# Altium PCB DustCollectorSwitch.PcbDoc
Units mil, origin at the board's own origin, x right, y up, seen from the top; angles counter-clockwise.
Board outline 2100 x 2705.2 mil, 2 copper layers (Top Layer, Bottom Layer); 63 components, 35 nets, 157 pads, 74 vias.
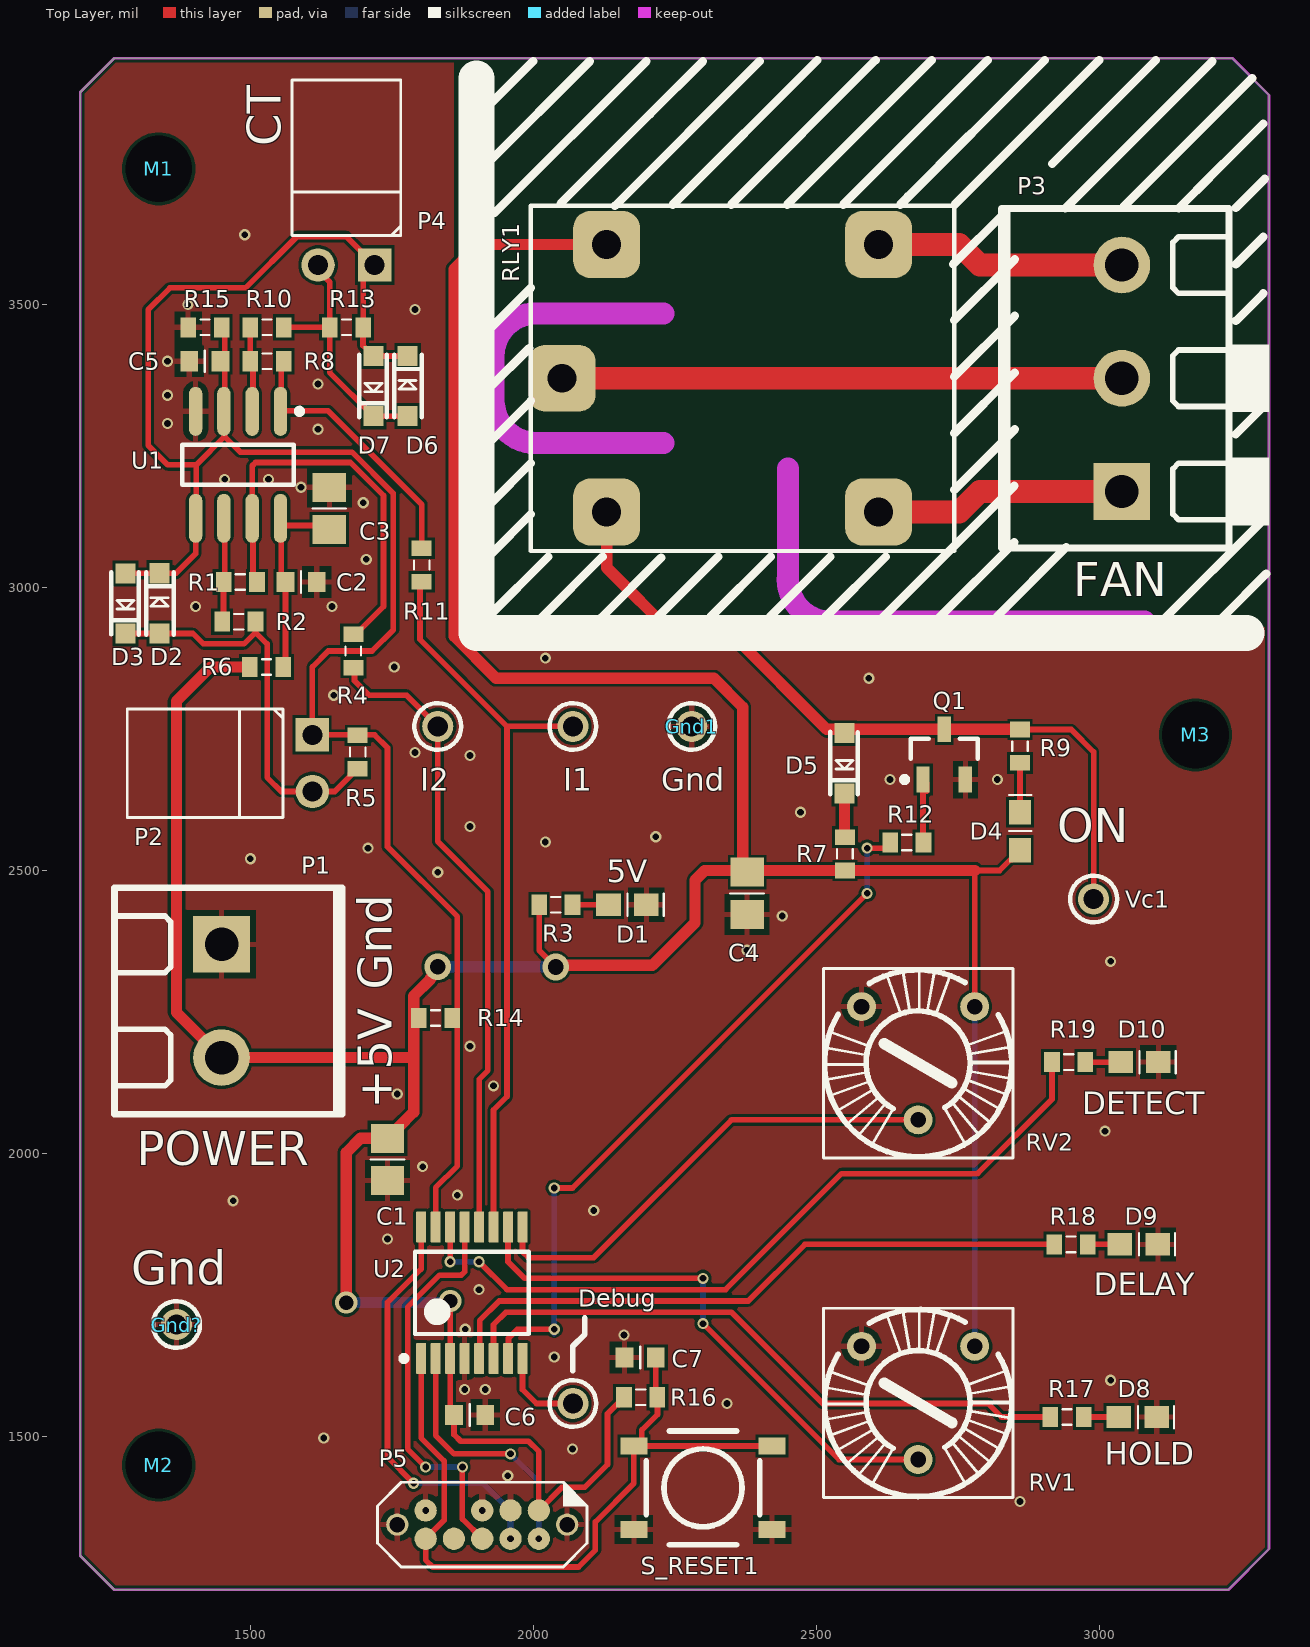
[diagram p0: Top Layer view]
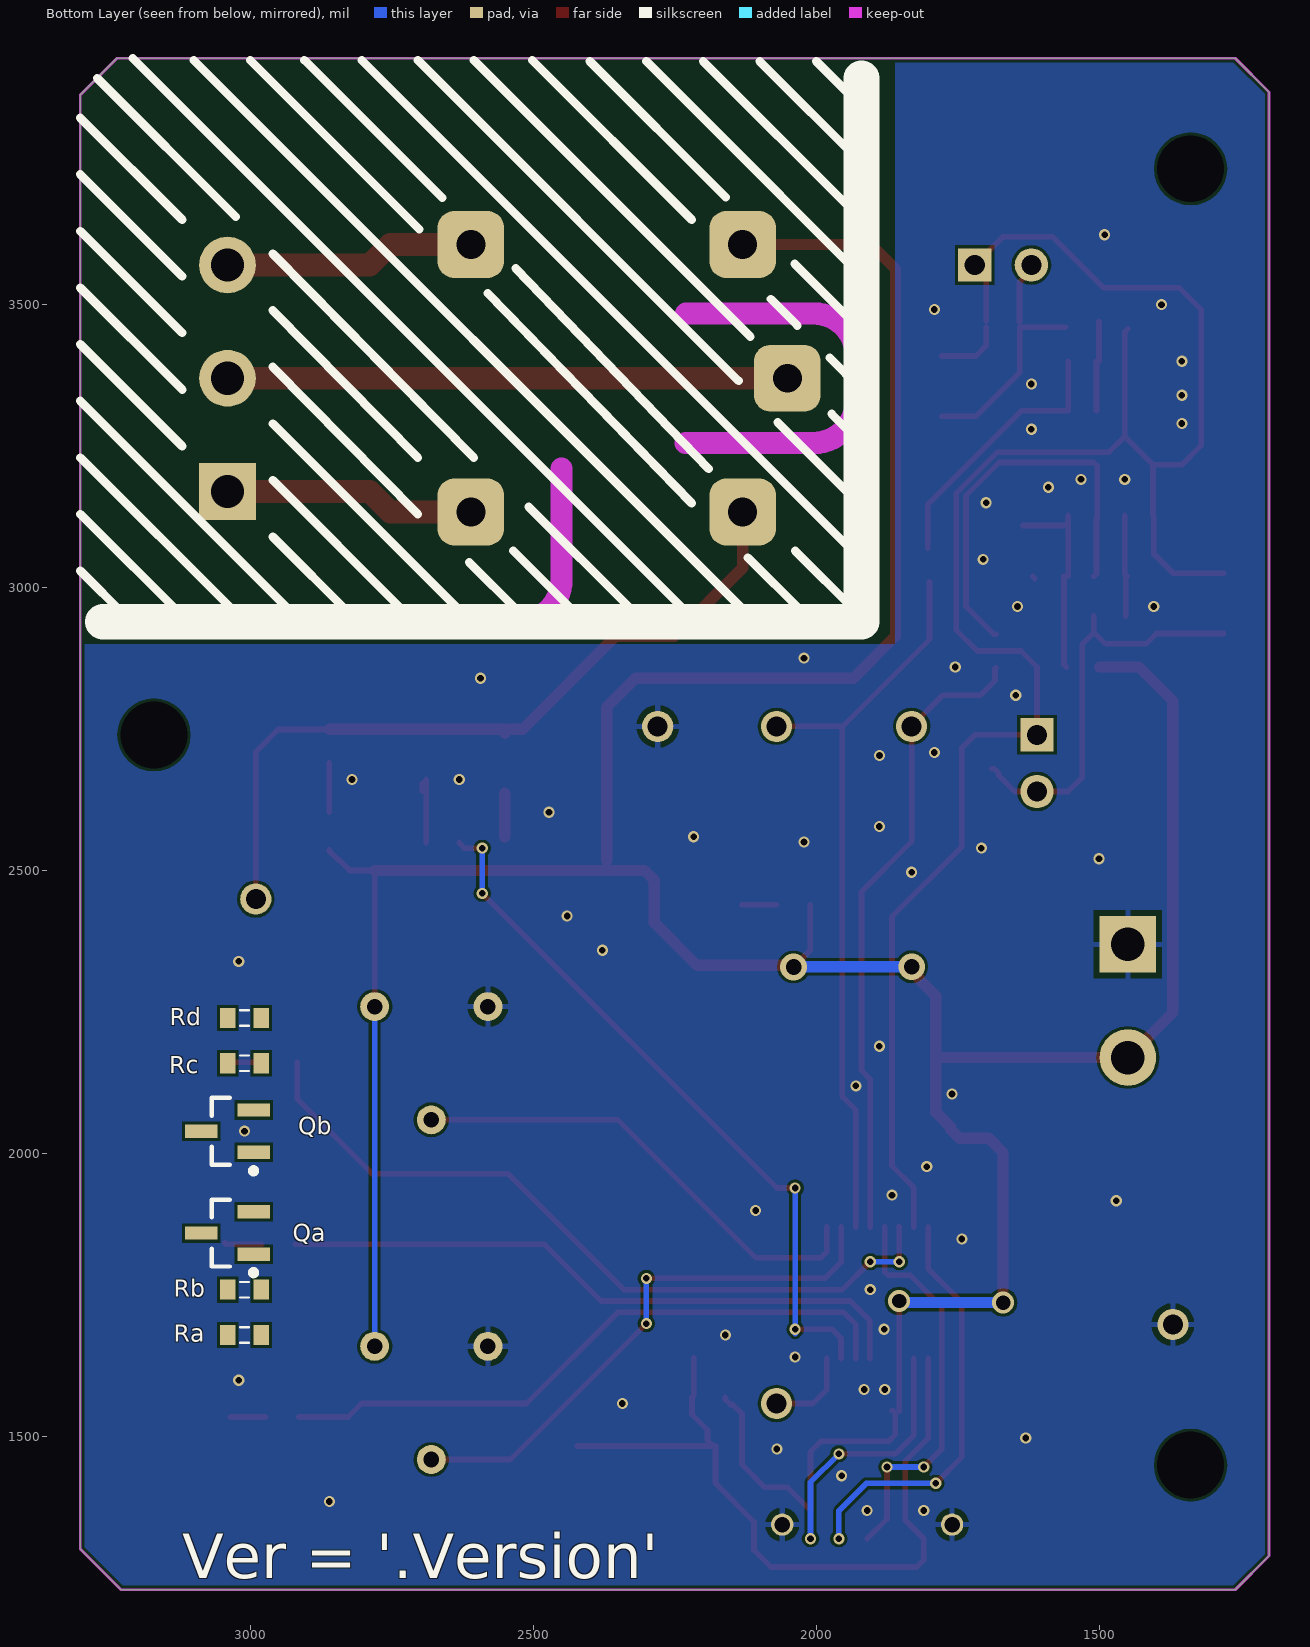
[diagram p1: Bottom Layer view, seen from below]
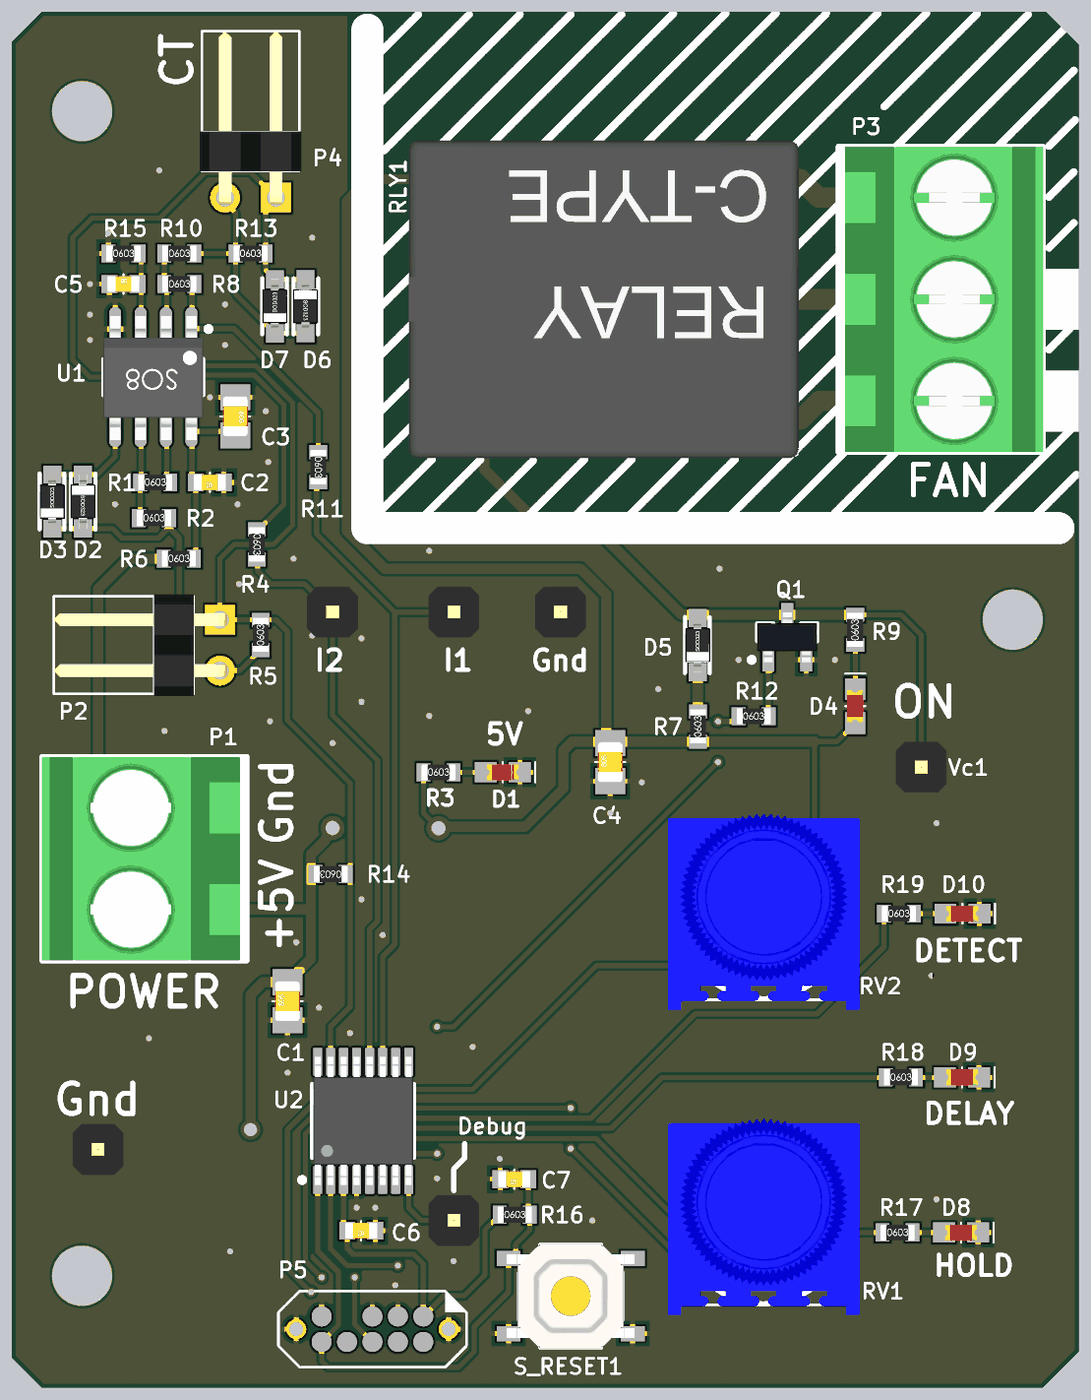
[diagram p2: 3D render of the assembled board from above, using the file's embedded part models]
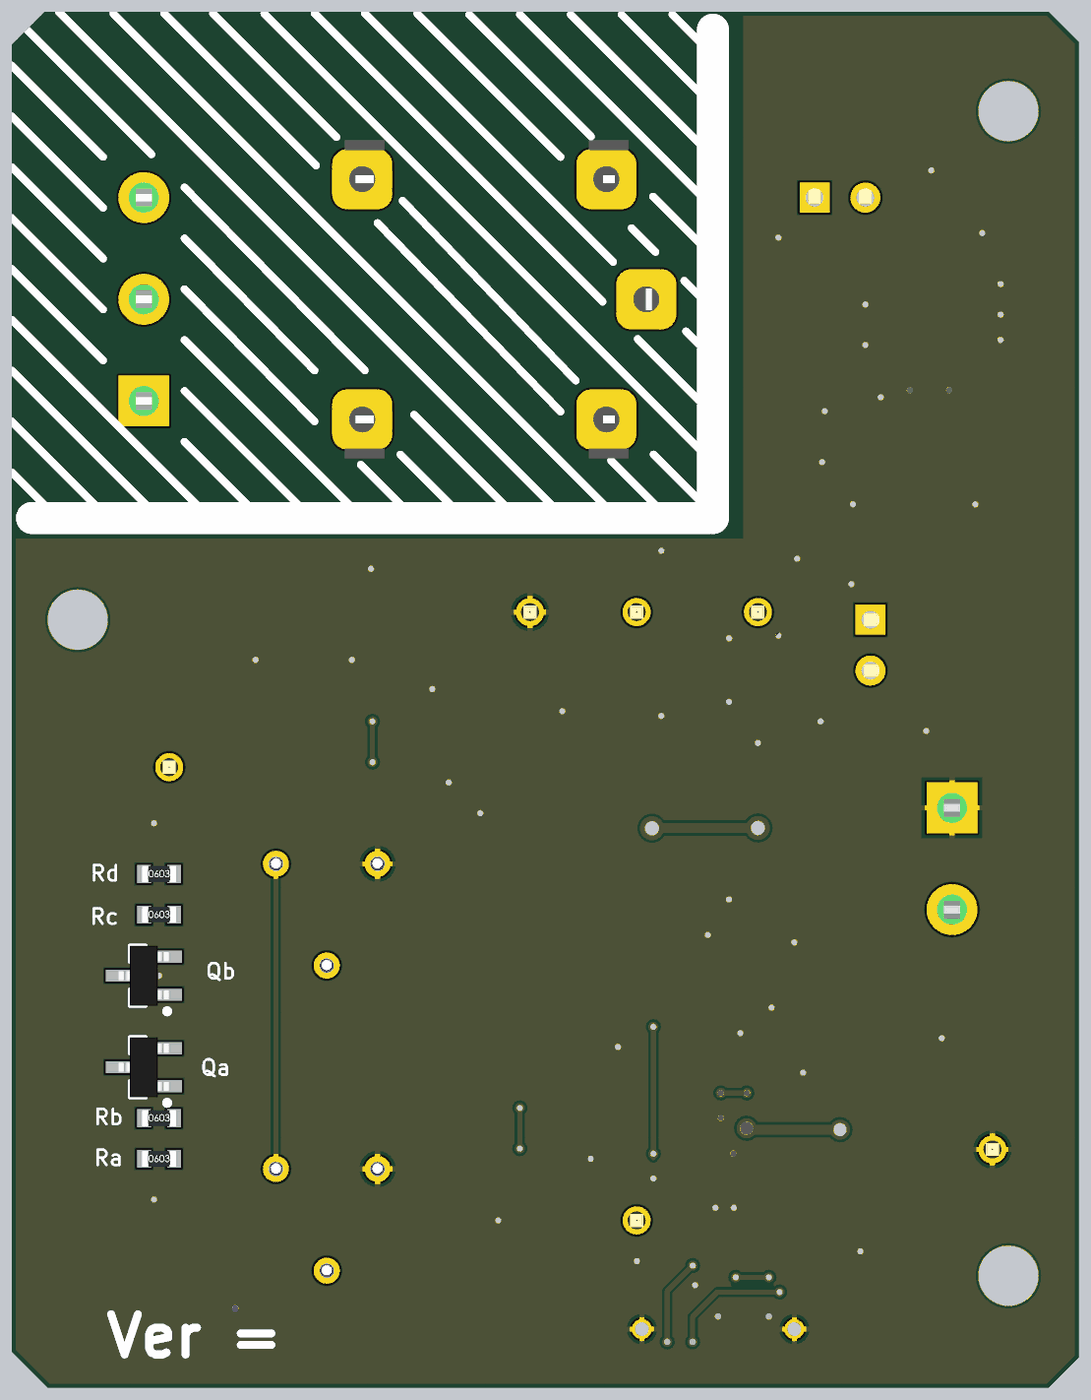
[diagram p3: 3D render of the assembled board from below, using the file's embedded part models]

## Layer stack, top to bottom
Top Solder: solder mask 0.4, Solder Resist, Dk 3.5
Top Layer: signal copper 1.4
Dielectric1: dielectric 12.6, FR-4, Dk 4.8
Bottom Layer: signal copper 1.4
Bottom Solder: solder mask 0.4, Solder Resist, Dk 3.5

## Board outline
1259.84,1230 1200,1289.84 1200,3875.35 1259.84,3935.2 3235.43,3935.2 3300,3870.63 3300,1301.65 3228.35,1230

## Design rules (kind name [scope] priority, off if disabled: settings)
Clearance [All] p1: gap=5 ignorepadtopadclearanceinfootprint=FALSE
HoleSize [All] p1: absolutevalues=TRUE maxlimit=137.8 minlimit=1 maxpercent=80.000 minpercent=20.000
MinimumSolderMaskSliver [All] p1 off: minsoldermaskwidth=10
PolygonConnect PolygonConnect_Via [IsPolygon vs IsVia] p1: connectstyle=Direct reliefconductorwidth=10 reliefentries=4 polygonreliefangle="90 Angle" airgapwidth=10
PolygonConnect [All] p2: connectstyle=Relief reliefconductorwidth=10 reliefentries=4 polygonreliefangle="90 Angle" airgapwidth=10
RoomDefinition DustCollectorSwitch [InComponentClass('DustCollectorSwitch')] p1: confinementstyle=ConfineIn formatcopy=TRUE lockcomponents=FALSE outline 1000,1099 3500,1099 3500,4165 1000,4165
RoutingVias [All] p1: holewidth=28 width=50 viastyle="Through Hole" minholewidth=28 minwidth=50 maxholewidth=28 maxwidth=50
SilkToSolderMaskClearance SilkscreenOverComponentPads [IsPad] p1 off: minsilkscreentomaskgap=10 clearancetoexposedcopper=TRUE
SolderMaskExpansion SolderMaskExpansion_Via [isVia] p1: expansion=4 istentingtop=TRUE
SolderMaskExpansion [All] p2: expansion=4 istentingtop=FALSE
Width [All] p1: maxlimit=40 minlimit=10 preferedwidth=10
27 further rules are at their usual default settings.

## Components (designator, comment, footprint, x,y, rotation, side; value= is the part's Value field where it differs from the comment)
C1 "2.2uF" CCNP2012-0805 1742.72,1990 r90 top
C2 "100nF" CCNP1608-0603_N 1590,3010 r180 top
C3 "1uF" CCNP2012-0805 1640,3140 r270 top
C4 "2.2uF" CCNP2012-0805 2377.84,2460 r90 top
C5 "100nF" CCNP1608-0603_N 1420,3400 r0 top
C6 "100nF" CCNP1608-0603_N 1887.76,1538.5 r180 top
C7 "100nF" CCNP1608-0603_N 2189,1640 r180 top
D1 "LED Red" LED1608-0603-RED 2166.54,2440 r180 top
D2 "1N4148WS" SOD-323 1340,2972.28 r270 top
D3 "1N4148WS" SOD-323 1280,2972.28 r90 top
D4 "LED Red" LED1608-0603-RED 2860,2570 r270 top
D5 "1N4148WS" SOD-323 2550,2690 r90 top
D6 "1N4148WS" SOD-323 1778.11,3356.22 r270 top
D7 "1N4148WS" SOD-323 1718.11,3356.22 r90 top
D8 "LED Red" LED1608-0603-RED 3068.19,1535 r180 top
D9 "LED Red" LED1608-0603-RED 3070,1840 r180 top
D10 "LED Red" LED1608-0603-RED 3071,2162 r180 top
Debug "Vdd" "PCBPIN - 0.9mm" 2070.12,1558.8 r0 top
Gnd1 "Gnd" "PCBPIN - 0.9mm" 2280,2755 r0 top
Gnd? "Gnd" "PCBPIN - 0.9mm" 1370,1698.31 r0 top
I1 "" "PCBPIN - 0.9mm" 2070.12,2755 r0 top
I2 "" "PCBPIN - 0.9mm" 1831.46,2755 r90 top
M1 "Mounting hole" "3mm hole" 1338.58,3740 r0 top
M2 "Mounting hole" "3mm hole" 1338.58,1450 r0 top
M3 "Mounting hole" "3mm hole" 3170,2740 r0 top
P1 "Terminal2_5.08mm" MOLEX-39544-3002 1449.53,2370 r180 top
P2 "Header, 2-Pin, Right Angle" HDR1X2H 1610,2740 r270 top
P3 "Terminal3_5.08mm" MOLEX-39544-3003 3040,3170 r0 top
P4 "Header, 2-Pin, Right Angle" HDR1X2H 1720,3570 r180 top
P5 "SWD Connector 2x5-Pin" SWD-2x5-Jig-Pads 2010,1370 r180 top
Q1 "MMBT3904LT1G" SOT23_N 2726.13,2705.43 r270 top
Qa "DNP" SOT23_M 3040,1860 r180 bottom
Qb "DNP" SOT23_M 3040,2040 r180 bottom
R1 "220R" CR1608-0603_N 1482.6,3010 r0 top
R2 "0R" CR1608-0603_N 1480,2940 r0 top
R3 "1K" CR1608-0603_N 2040,2440 r0 top
R4 "470R" CR1608-0603_N 1682.28,2888.06 r270 top
R5 "DNP" CR1608-0603_N 1690,2710 r90 top
R6 "220R" CR1608-0603_N 1529.09,2860 r0 top
R7 "220R" CR1608-0603_N 2550.63,2530 r90 top
R8 "220R" CR1608-0603_N 1530,3400 r0 top
R9 "1K" CR1608-0603_N 2860,2720 r90 top
R10 "0R" CR1608-0603_N 1530,3460 r0 top
R11 "470R" CR1608-0603_N 1803.12,3040 r270 top
R12 "220R" CR1608-0603_N 2660,2550 r0 top
R13 "DNP" CR1608-0603_N 1670,3460 r0 top
R14 "10k" CR1608-0603_N 1827.68,2240 r180 top
R15 "10k" CR1608-0603_N 1420,3460 r0 top
R16 "1K" CR1608-0603_N 2190,1570 r0 top
R17 "1K" CR1608-0603_N 2943.19,1535 r0 top
R18 "1K" CR1608-0603_N 2950,1840 r0 top
R19 "1K" CR1608-0603_N 2946,2162 r0 top
Ra "DNP" CR1608-0603_N 3010,1680 r180 bottom
Rb "DNP" CR1608-0603_N 3010,1760 r180 bottom
Rc "DNP" CR1608-0603_N 3010,2160 r180 bottom
Rd "DNP" CR1608-0603_N 3010,2240 r180 bottom
RLY1 "ORWH-SH-105D1F,000" "RELAY - ORWH-SH" 2370,3370 r0 top
RV1 "1K" RV_PCB5 2680,1560 r270 top
RV2 "1K" RV_PCB5 2680,2160 r270 top
S_RESET1 "SMD-SW-4_5.1x5.1x3.5_M" SMD-SW-4_5.1x5.1x3.5_M 2300,1410 r0 top
U1 "LM2904DR2G" "SOIC127P600-8N - ROT90" 1478.7,3217.13 r180 top
U2 "MKE04Z8VTG4" TSSOP16_N 1891.65,1754.53 r90 top
Vc1 "" "PCBPIN - 0.9mm" 2990,2450 r0 top

## Footprints (in the part's own frame and the unit in brackets; to place one, negate y for a bottom-side part, rotate by r counter-clockwise, add the part's x,y. Pads: shape width x height; smd on the part's side, far side on the other; paste and mask are expansions set on the pad)
"3mm hole" [mil]
  round 60 hole 118.11: 0(0,0)
CCNP1608-0603_N [mm]
  rect 0.8x0.9 smd: 1(-0.7,0) 2(0.7,0)
  silkscreen extent 0,-0.48 0,0.48, body extent -0.8,-0.4 0.8,0.4, height 0.3
CCNP2012-0805 [mm]
  rect 1.3x1.5 smd: 1(-0.95,0) 2(0.95,0)
  silkscreen extent 0,-0.75 0,0.75, body extent -1,-0.62 1,0.63, height 0.78
CR1608-0603_N [mm]
  rect 0.7x0.9 smd: 1(-0.75,0) 2(0.75,0)
  silkscreen extent -0.2,-0.35 0.2,0.35, body extent -0.85,-0.4 0.85,0.4, height 0.56
HDR1X2H [mm] "Header; 2 Position; Right Angle"
  rect 1.5x1.5 hole 0.9: 1(0,0)
  round 1.5 hole 0.9: 2(2.54,0)
  silkscreen extent -1.17,-8.31 3.71,-1.32, body extent -1.27,-8.3 3.81,0.33, height 2.54
LED1608-0603-RED [mm] "SMT-LED 0603"
  rect 1.1x1 smd: A(0.85,0) K(-0.85,0)
  silkscreen extent -1.62,-0.5 0,0.5, body extent -0.8,-0.4 0.8,0.4, height 0.7
MOLEX-39544-3002 [mm] "Wire-To-Board Terminal Block"
  rect 2.54x2.54 hole 1.5: 1(0,0)
  round 2.54 hole 1.5: 2(0,5.08)
  silkscreen extent -5.4,-2.54 4.83,7.62, body extent -5.08,-2.54 4.83,7.62, height 14.6
MOLEX-39544-3003 [mm] "Wire-To-Board Terminal Block"
  rect 2.54x2.54 hole 1.5: 1(0,0)
  round 2.54 hole 1.5: 2(0,5.08) 3(0,10.16)
  silkscreen extent -5.4,-2.54 4.83,12.7, body extent -5.08,-2.54 4.83,12.7, height 14.6
"PCBPIN - 0.9mm" [mm]
  round 1.4 hole 0.9: 1(0,0)
  silkscreen extent -1.05,-1.05 1.05,1.05, body extent -1.27,-1.27 1.27,1.27, height 6
"RELAY - ORWH-SH" [mm] "Relay, PCB Mount, ORWH Series"
  rrect50% 3x3 hole 1.3: C1(-6.1,6) C2(-6.1,-6) COM(-8.1,0) NC(6.1,6) NO(6.1,-6)
  silkscreen extent -9.5,-7.75 9.5,7.75, body extent -9.88,-7.95 9.62,7.95, height 15
RV_PCB5 [mm] "Vishay 63M-T607 (F347-292 or similar)"
  round 1.3 hole 0.7: CCW(-2.54,-2.54) CW(-2.54,2.54) W(2.54,0)
  silkscreen extent -4.25,-4.25 4.25,4.25, body extent -5.08,-4.79 4.75,4.79, height 4.42
SMD-SW-4_5.1x5.1x3.5_M [mm] "Miniature SMD PCB Push Button - C318886"
  rect 1.2x0.762 smd: 1(3.1,-1.875) 1b(-3.1,-1.875) 2(3.1,1.875) 2b(-3.1,1.875)
  silkscreen extent -2.55,-2.55 2.55,2.55, body extent -3.2,-2.65 3.2,2.65, height 3.5
SOD-323 [mm]
  rect 0.9x0.9 smd: A(1.347,0.004) K(-1.353,0.004)
  silkscreen extent -1.4,-0.6 1.4,0.64, body extent -1.35,-0.62 1.35,0.63, height 1.1
"SOIC127P600-8N - ROT90" [mm] "SOIC, 8-Leads, Body 4.9x3.9mm, Pitch 1.27mm, IPC Medium Density"
  oval 0.6x2.2 smd: 1(-1.905,-2.4) 2(-0.635,-2.4) 3(0.635,-2.4) 4(1.905,-2.4) 5(1.905,2.4) 6(0.635,2.4) 7(-0.635,2.4) 8(-1.905,2.4)
  silkscreen extent -2.88,-2.52 2.5,0.9, body extent -2.5,-3.06 2.5,3.14, height 1.75
SOT23_M [mm] "SOT23, 3-Leads, Body 2.9x1.3mm, Pitch 0.95mm, Lead Span 2.3mm - IPC Low Density"
  rect 1.45x0.6 smd: 1(1.175,-0.95) 2(1.175,0.95) 3(-1.175,0)
  silkscreen extent -0.7,-1.9 1.29,1.5, body extent -1.25,-1.5 1.25,1.5, height 1.05
SOT23_N [mm] "SOT23, 3-Leads, Body 2.9x1.3mm, Pitch 0.95mm, Lead Span 2.3mm - IPC Medium Density"
  rect 1.15x0.6 smd: 1(1.125,-0.95) 2(1.125,0.95) 3(-1.125,0)
  silkscreen extent -0.7,-1.9 1.25,1.5, body extent -1.25,-1.5 1.25,1.5, height 1.05
SWD-2x5-Jig-Pads [mm] "Connector; SWD; 2x5 Position"
  round 1 hole 0.69: 0(-1.27,0.635) 0(6.35,0.635)
  round 1 smd: 1(0,0) 2(0,1.27) 3(1.27,0) 4(1.27,1.27) 5(2.54,0) 6(2.54,1.27) 8(3.81,1.27) 9(5.08,0) 10(5.08,1.27)
  silkscreen extent -2.16,-1.26 7.24,2.53
TSSOP16_N [mm] "SOP, 16-Leads, Body 5.1x4.5mm, Pitch 0.65mm, IPC Medium Density"
  rrect22% 1.4x0.45 smd: 1(-2.95,2.275) 2(-2.95,1.625) 3(-2.95,0.975) 4(-2.95,0.325) 5(-2.95,-0.325) 6(-2.95,-0.975) 7(-2.95,-1.625) 8(-2.95,-2.275) 9(2.95,-2.275) 10(2.95,-1.625) 11(2.95,-0.975) 12(2.95,-0.325) 13(2.95,0.325) 14(2.95,0.975) 15(2.95,1.625) 16(2.95,2.275)
  silkscreen extent -3.07,-2.55 1.85,3.17, body extent -3.2,-2.5 3.2,2.5, height 1.1

## Part data
C1 C4: library part Cap_CCNP_0805_2u2F, "Capacitor non-polar SMT 0805", LCSC=C49217, Manufacturer="Generic Components", Class=Passive, Published=08/06/2000, Publisher="Altium Hobart Technology Centre", SubClass=Capacitor
C2 C5 C6 C7: library part Cap_CCNP_0603_100nF, "Capacitor non-polar SMT 0603", LCSC=C14663, Manufacturer="Generic Components", Class=Passive, Published=08/06/2000, Publisher="Altium Hobart Technology Centre", SubClass=Capacitor
C3: library part Cap_CCNP_0805_1uF, "Capacitor non-polar SMT 0805", LCSC=C28323, Manufacturer="Generic Components", Class=Passive, Published=08/06/2000, Publisher="Altium Hobart Technology Centre", SubClass=Capacitor
D1 D4 D8 D9 D10: library part LED-0603-Red, "LED 0603 Red", LCSC=C2286, Manufacturer="Generic Components", Class I=Optoelectronic, Class II=LED, Farnell PN=1581239, Published=8-Jun-2000, Publisher="Altium Limited", Revision="July-2002: Re-released for DXP Platform."
D2 D3 D5 D6 D7: "Diode - Switching 100V 150mA 1.25V@150mA 4ns SOD-323", LCSC=C2128, Class=Discrete, Farnell PN=2889105, SubClass="Diode - Switching"
Debug Gnd1 Gnd? I1 I2 Vc1: library part TP, "Test Point"
M1 M2 M3: library part Mounting_Hole
P1: "MULTICOMP MC24366 TERMINAL BLOCK EUROSTYLE, 2 POSITION, 26-12AWG, 5.08mm", Farnell PN=2396251
P2 P4: library part "Header 1x2H", LatestRevisionDate=17-Jul-2002, LatestRevisionNote="Re-released for DXP Platform.", Publisher="Altium Limited"
P3: "MULTICOMP MC24367 TERMINAL BLOCK EUROSTYLE, 3 POSITION, 26-12AWG, 5.08mm"
P5: library part SWD2X5_JIG, Farnell PN=1865285, LatestRevisionDate=17-Jul-2002, LatestRevisionNote="Re-released for DXP Platform.", Publisher="Altium Limited"
Q1: "General Purpose Transistor, NPN Silicon, 3-Pin SOT-23, Pb-Free, Tape and Reel", LCSC=C20526, Manufacturer="On Semiconductor", ComponentLink1Description="Manufacturer URL", ComponentLink1URL=http://www.onsemi.com/, ComponentLink2Description=Datasheet, ComponentLink2URL=http://www.onsemi.cn/pub_link/Collateral/MMBT3904LT1-D.PDF, ComponentLink3Description="Package Specification", ComponentLink3URL=http://www.onsemi.cn/pub_link/Collateral/318-08.PDF, DatasheetVersion="Rev. 12", fT Min (MHz)=300, IC Continuous (A)=0.2, Mounting Technology="Surface Mount", PackageDescription="3-Pin Small Outline Transistor, Body 2.92 x 1.3 mm, Pitch 0.95 mm", PackageReference=SOT-23-3-318-08, PackageVersion="Rev. AP, 11/2009", Packing="Tape and Reel", PartNumber=MMBT3904LT1G, Polarity=NPN, RoHS=TRUE
Qa Qb: library part MMBT3904LT1G, "SOT23", ComponentLink1Description="Manufacturer URL", ComponentLink1URL=http://www.onsemi.com/, ComponentLink2Description=Datasheet, ComponentLink2URL=http://www.onsemi.cn/pub_link/Collateral/MMBT3904LT1-D.PDF, ComponentLink3Description="Package Specification", ComponentLink3URL=http://www.onsemi.cn/pub_link/Collateral/318-08.PDF
R1 R6 R7 R8 R12: library part Res_CR0603_220R, "Resistor SMT 0603", LCSC=C22962, Manufacturer="Generic Components", Class=Passive, Published=08/06/2000, Publisher="Altium Hobart Technology Centre", SubClass=Resistor
R2 R10: library part Res_CR0603_0R, "Resistor SMT 0603", LCSC=C21189, Manufacturer="Generic Components", Class=Passive, Published=08/06/2000, Publisher="Altium Hobart Technology Centre", SubClass=Resistor
R3 R9 R16 R17 R18 R19: library part Res_CR0603, "Resistor SMT 0603", LCSC=C21190, Manufacturer="Generic Components", Class=Passive, Published=08/06/2000, Publisher="Altium Hobart Technology Centre", SubClass=Resistor
R4 R11: library part Res_CR0603_470R, "Resistor SMT 0603", LCSC=C23179, Manufacturer="Generic Components", Class=Passive, Published=08/06/2000, Publisher="Altium Hobart Technology Centre", SubClass=Resistor
R5 R13 Ra Rb Rc Rd: library part Res_CR0603, "Resistor SMT 0603", Manufacturer="Generic Components", Class=Passive, Published=08/06/2000, Publisher="Altium Hobart Technology Centre", SubClass=Resistor
R14 R15: library part Res_CR0603_10k, "Resistor SMT 0603", LCSC=C25804, Manufacturer="Generic Components", Class=Passive, Published=08/06/2000, Publisher="Altium Hobart Technology Centre", SubClass=Resistor
RLY1: library part "Relay - ORWH-SH-105D1F", "Relay, ORWH Series, Power, Non Latching, SPDT, 5 VDC, 10 A", Farnell PN=1181034
RV1 RV2: library part POT_BOURNS_3362P, "Trim Pot - single turn horizontal", Farnell PN="9354298 or similar"
S_RESET1: library part SW_PB-TS, "Tactile Switch SPST 5.10mm X 5.10mm / (1.5mm=C318884) / (2.0mm=C318888) / (3.5mm=C318886)", LCSC=C318886, Revision=1.0
U1: "Single Supply Dual Operational Amplifier, 3 to 32 V, -40 to 105 degC, 8-Pin SOIC, Pb-Free, Tape and Reel", LCSC=C18229, Manufacturer="On Semiconductor", ComponentLink1Description="Manufacturer URL", ComponentLink1URL=http://www.onsemi.com/, ComponentLink2Description=Datasheet, ComponentLink2URL=http://www.onsemi.cn/pub_link/Collateral/LM358-D.PDF, ComponentLink3Description="Package Specification", ComponentLink3URL=http://www.onsemi.com/pub_link/Collateral/751-07.PDF, DatasheetVersion="Rev. 27", Mounting Technology="Surface Mount", PackageDescription="8-Pin Small Outline Integrated Circuit, Body 4.9 x 3.9 mm, Pitch 1.27 mm", PackageReference=SOIC-8-751-07, PackageVersion="Rev. AK, 02/2011", Packing="Tape and Reel", PartNumber=LM2904DR2G, RoHS=TRUE, VCC Max (V)=32, VCC Min (V)=3
U2: "Kinetis ARM uC"

## Via types
v1: diameter 19.68, hole 11.81, Top Layer to Bottom Layer, tented both sides, 70 vias
v2: diameter 39.37, hole 25.59, Top Layer to Bottom Layer, tented both sides, 2 vias
v3: diameter 47.24, hole 27.56, Top Layer to Bottom Layer, tented both sides, 2 vias

## Nets (pads, with @x,y where several pads share a name; then routed paths per layer and width w, separated by ;. In a path a pad name is that pad's centre, name@x,y a point inside that pad or via, vN(x,y) a via of type N, cw(c..) or ccw(c..) an arc to the next point about the centre after c; other vN are vias at no path point)
5V: C1.2 C4.2 C6.2 D4.A P1.2 P5.1 R3.1 R6.1 R7.1 R14.2 R16.1 RLY1.C1 RV1.CW RV2.CW U2.3 | length 6711.3
  Top Layer w10: C6.2@1853.27,1545.44 U2.3 1853.27,1739.59 v2(1853.68,1740) ; C6.2 1860.2,1504 1872,1492.2 1991.69,1492.2 2010,1473.89 P5.1 2050.48,1410.48 2050.48,1410.76 2090.95,1410.76 2131.25,1451.06 2131.25,1540.78 2147.76,1557.28 2151.69,1557.28 2160.47,1566.06 R16.1 ; C6.2@1864.17,1546.22 C6.2@1866.14,1546.22 ; R3.1 2010.47,2359.53 2037.2,2332.8 v3(2040,2330) ; RV2.CW 2780,2500.47 2823.94,2500.47 2843.35,2519.88 2845.31,2519.88 2860,2534.57 D4.A
  Top Layer w20: R6.1 1430,2860 1370,2800 1370,2249.53 P1.2 1788.88,2170 ; v2(1670,1737.24) 1670,2002.47 1694.9,2027.37 C1.2 ; C1.2 1746.65,2027.4 1762.24,2042.99 1762.24,2046.93 1788.88,2073.57 1788.88,2170 ; v3(1831.46,2330.47) 1831.46,2323.1 1818.1,2309.74 1818.1,2308 1788.88,2278.78 1788.88,2170 ; v3@2037.2,2332.8 2210.44,2332.8 2285.92,2408.28 2285.92,2483.33 2303.07,2500.47 R7.1 2780,2500.47 ; RLY1.C1 1903.5,3606.22 1860,3562.72 1860,2914.45 1934.45,2840 2319.41,2840 2370,2789.41 C4.2@2370,2517.4
  Bottom Layer w10: RV1.CW RV2.CW
  Bottom Layer w20: v2(1670,1737.24) 1850.93,1737.24 v2(1853.68,1740) ; v3(1831.46,2330.47) 2039.53,2330.47 v3(2040,2330)
5Vf: C2.2 C3.2 R6.2 U1.8 | length 351.4
  Top Layer w10: C2.2@1555,3020 U1.8@1555,3116.29 ; U1.8@1555,3127.48 U1.8@1555,3116.29 ; R6.2 1562.44,2863.83 C2.2@1562.44,3020 ; C3.2@1634.75,3110 1561.29,3110 U1.8@1555,3116.29
AC1: D6.A D7.K P4.2 R10.2 R13.1 | length 440.3
  Top Layer w10: R10.2 R13.1 1640.47,3380.45 D7.K 1778.05,3302.97 D6.A ; P4.2 1620,3560.45 1640.84,3539.61 R13.1@1640.84,3468.78
AC2: D2.A D3.K P2.2 R2.2 R5.1 | length 728.5
  Top Layer w10: D3.K D2.A@1339.95,2919.03 ; D2.A 1398.91,2919.24 1417.44,2900.71 1489.06,2900.71 1509.53,2921.18 ; R2.2@1509.53,2950 1509.53,2921.18 ; R5.1 1686.06,2680.47 1677.28,2671.69 1677.28,2667.76 1649.53,2640 P2.2 1555,2640 1530,2665 1530,2900.71 1509.53,2921.18
AC_Sample1: R8.1 R10.1 U1.2 | length 157.5
  Top Layer w10: R8.1 R10.1@1500.47,3470 ; U1.2@1505,3312.52 R8.1@1505,3400
AC_Sample2: R1.1 R2.1 U1.6 | length 179.7
  Top Layer w10: R1.1@1450.47,3020 1455,3024.53 U1.6@1455,3127.48 ; R2.1@1453.07,2949.65 R1.1@1453.07,3020
COM: P3.2 RLY1.COM | length 988.9
  Top Layer w40: RLY1.COM P3.2
Debug: Debug.1 U2.8 | length 154
  Top Layer w10: U2.8 1981.22,1583.44 2005.86,1558.8 Debug.1
DelayLed: R18.1 U2.5 | length 1138.2
  Top Layer w10: U2.5 1905.35,1639.29 1905.35,1705.35 1940,1740 2380,1740 2480,1840 R18.1
DetectLed: R19.1 U2.14 | length 1350.4
  Top Layer w10: v1(1853.27,1809.37) U2.14 U2.14@1853.68,1871.08 ; v1(1904.45,1809.37) 1953.82,1760 2340,1760 2544.95,1964.95 2784.95,1964.95 2916.47,2096.47 R19.1
  Bottom Layer w10: v1(1853.27,1809.37) v1(1904.45,1809.37)
GND: C1.1 C2.1 C3.1 C4.1 C5.1 C6.1 C7.2 D1.K D8.K D9.K D10.K Gnd1.1 Gnd?.1 P1.1 P5.0 P5.3 P5.5 P5.9 Q1.2 R15.1 RV1.CCW RV2.CCW S_RESET1.1 S_RESET1.1b U1.4 U2.4 | length 5.5
  Top Layer w10: C2.1@1613.7,3016.14 C2.1@1617.56,3020
  other v1: 1810,1370 1910,1370 2860,1385.82 1955.09,1431.32 2069.53,1478.65 1630,1498.02 2342.47,1558.8 1878.86,1583.74 1915.32,1583.74 3020,1600 2037.2,1641.22 2160.47,1680 1880,1690 1904.45,1760 1742.72,1849.42 2107,1900 1470,1917.01 1866.06,1927 1804.79,1977.29 3010,2040 1760,2105.53 1930,2120 1888.48,2190 3020,2340 2377.84,2359.53 2440,2420 1831.46,2497.4 1500.47,2521.25 1708.23,2540 2021.61,2550.8 2216.56,2560.16 1888.48,2578.31 2472.2,2603.46 2630.47,2661.14 2820,2661.14 1888.28,2703.46 1791.26,2708.86 1647.63,2810 2592.95,2840 1754.53,2860 2021.61,2875.66 1403.7,2966.88 1644.53,2966.88 1705.12,3050 1699.89,3150 1590,3177.4 1455,3191.39 1532.37,3191.39 1620,3280 1354.09,3290 1354.09,3340 1620,3360 1354.09,3400 1791.26,3491.42 1390,3500 1490.47,3623.5
HoldControl: RV1.W U2.10 | length 977.2
  Top Layer w10: U2.10 1955.63,1809.37 1985,1780 v1(2300,1780) ; v1(2300,1700) 2540,1460 RV1.W
  Bottom Layer w10: v1(2300,1700) v1(2300,1780)
HoldLed: R17.1 U2.6 | length 1129.2
  Top Layer w10: U2.6 1930.04,1698.31 1951.72,1720 2350.31,1720 2511.51,1558.8 2803.39,1558.8 2827.19,1535 R17.1
ISample1: I1.1 R11.2 U2.11 | length 1329.2
  Top Layer w10: R11.2@1800,3010 1800,2908.82 1953.82,2755 ; U2.11 1930.04,2077.53 1953.82,2101.31 1953.82,2755 ; I1.1 1953.82,2755
ISample2: I2.1 R4.2 U2.12 | length 1131.8
  Top Layer w10: R4.2 1684.28,2856.52 1684.28,2835.61 1709.89,2810 1776.46,2810 I2.1 1831.46,2551.59 1920,2463.05 1920,2147.11 1904.45,2131.56 U2.12
LevelControl: RV2.W U2.9 | length 847.6
  Top Layer w10: U2.9 1981.22,1827.06 1991.69,1816.58 2107,1816.58 2350.41,2060 RV2.W
N/C: P3.3 RLY1.NC | length 444.8
  Top Layer w40: RLY1.NC 2752.6,3606.22 2788.82,3570 P3.3
N/O: P3.1 RLY1.NO | length 444.8
  Top Layer w40: RLY1.NO 2752.6,3133.78 2788.82,3170 P3.1
NetD1_A: D1.A R3.2 | length 62.2
  Top Layer w10: R3.2 D1.A@2131.69,2440
NetD4_K: D4.K R9.1 | length 87
  Top Layer w10: D4.K R9.1
NetD5_K: D5.K R7.2 | length 77.5
  Top Layer w20: D5.K@2550,2636.75 2550,2560.16 R7.2
NetD8_A: D8.A R17.2 | length 62
  Top Layer w10: R17.2 D8.A
NetD9_A: D9.A R18.2 | length 60.4
  Top Layer w10: R18.2 D9.A ; D9.A@3042.07,1840 D9.A@3044.47,1842.4
NetD10_A: D10.A R19.2 | length 74.6
  Top Layer w10: R19.2 D10.A D10.A@3046.47,2170.94
NetQ1_1: Q1.1 R12.2 | length 134.8
  Top Layer w10: R12.2 2688.72,2550.8 Q1.1 2695.54,2654.33 Q1.1@2695.54,2640.59
NetR1_2: R1.2 R4.1 U1.7 | length 725.2
  Top Layer w10: U1.7 1503.7,3127.48 1503.7,3215.36 1509.55,3221.21 1677.1,3221.21 1735.51,3162.81 1735.51,2966.88 1686.21,2917.59 R4.1 ; U1.7@1505,3122.64 1505,3024.53 R1.2@1509.53,3020
NetR8_2: R8.2 R11.1 U1.1 | length 481.6
  Top Layer w10: R8.2@1555,3400 1555,3312.52 1637.48,3312.52 1803.12,3146.88 R11.1
RELAY: D5.A Q1.3 R9.2 RLY1.C2 Vc1.1 | length 1354.8
  Top Layer w10: R9.2 2950.47,2749.53 2990,2710 Vc1.1
  Top Layer w20: RLY1.C2 2129.84,3035.16 2250.55,2914.45 2354.05,2914.45 2518.72,2749.78 2543.11,2749.78 D5.A ; D5.A@2551.3,2749.72 Q1.3 2859.8,2749.72 R9.2
RelayDrive: R12.1 U2.7 | length 1274.5
  Top Layer w10: U2.7 1956.33,1639.09 1956.33,1674.17 1972.16,1690 v1(2037.2,1690) ; v1(2037.2,1939.59) 2069.59,1939.59 v1(2590,2460) ; v1(2590,2540) 2621.69,2540 2630.47,2548.78 R12.1
  Bottom Layer w10: v1@2037.2,1682.33 v1(2037.2,1690) v1(2037.2,1939.59) ; v1(2590,2460) v1(2590,2540)
RESETb: C7.1 P5.10 R16.2 S_RESET1.2 S_RESET1.2b U2.1 | length 1331.2
  Top Layer w10: U2.1 1802.09,1498.02 1842.75,1457.36 1842.75,1352.75 P5.10 1810,1282.52 1822.52,1270 2080,1270 2109.83,1299.83 2109.83,1349.83 2177.95,1417.95 S_RESET1.2b S_RESET1.2b@2182.02,1483.82 ; S_RESET1.2b@2184.98,1486.79 S_RESET1.2b@2182.02,1483.82 ; S_RESET1.2b@2187.95,1483.82 S_RESET1.2 ; C7.1 2216.56,1572.97 R16.2 2219.53,1539.52 2192.02,1512.01 2192.02,1493.82 S_RESET1.2b@2182.02,1483.82
SWD_CLK: P5.4 U2.16 | length 737
  Top Layer w10: v1(1788.88,1417.95) 1742.72,1464.12 1742.72,1737.24 1802.09,1796.61 U2.16
  Bottom Layer w10: v1(1788.88,1417.95) 1911.4,1417.95 1960,1369.35 v1(1960,1320)
SWD_DIO: P5.2 U2.2 | length 452.3
  Top Layer w10: U2.2 1827.68,1502.7 1860.38,1470 v1(1960,1470)
  Bottom Layer w10: v1(1960,1470) 2010,1420 v1(2010,1320)
SWD_Rx: P5.8
SWD_Tx: P5.6 U2.13 | length 707.6
  Top Layer w10: v1(1810,1446.83) 1778.18,1478.65 1778.18,1729.3 1834.5,1785.62 1873,1785.62 1878.86,1791.48 U2.13 ; v1(1875,1446.83) 1875,1355 P5.6
  Bottom Layer w10: v1(1810,1446.83) v1(1875,1446.83)
V2.5: C5.2 D2.K D3.A D6.K D7.A P2.1 P4.1 R5.2 R13.2 R14.1 R15.2 U1.3 U1.5 U2.15 | length 3524.9
  Top Layer w10: D3.A D2.K@1339.95,3025.33 ; D2.K 1369.23,3025.54 1403.7,3060 U1.5 1403.7,3126.18 1405,3127.48 1405,3217.13 ; R15.2@1449.53,3457.13 1455,3451.65 1455,3400 1455,3311.61 1455,3267.13 ; R13.2 1699.53,3427.69 D7.A 1778.05,3409.27 D6.K ; R13.2@1699.89,3470.47 1699.89,3549.89 1715,3565 P4.1 1670,3620 1582.44,3620 1492.06,3529.61 1358.2,3529.61 1320,3491.42 1320,3251.21 1354.09,3217.13 1405,3217.13 ; U2.15 1827.68,1940.3 1866.14,1978.76 1866.14,2418.9 1742.72,2542.32 1742.72,2717.28 1720,2740 1690,2740 P2.1 1610,2860 1638.06,2888.06 1715.43,2888.06 1752.84,2925.47 1752.84,3166.69 1680,3239.53 1482.6,3239.53 1455,3267.13 ; 1405,3217.13 1455,3267.13
pads on no net: M1.0 M2.0 M3.0 Qa.1 Qa.2 Qa.3 Qb.1 Qb.2 Qb.3 Ra.1 Ra.2 Rb.1 Rb.2 Rc.1 Rc.2 Rd.1 Rd.2

## Polygon pours and split planes (outlines as drawn)
GND on Bottom Layer "tga" (solid, remove dead copper, pour order 0): 1860,2900 1860,3930 1200,3930 1200,1230 3300,1230 3300,2900
GND on Top Layer "GND_L01_P002" (solid, remove dead copper, pour order 2): 1860,2930 1860,3940 1200,3940 1200,3910 1200,1230 3300,1230 3300,2930

## Keep-outs
Keep-Out Layer:
  lines w5: 1200,1289.84 1200,3875.35 1259.84,3935.2 3235.43,3935.2 3300,3870.63 3300,1301.65 3228.35,1230 2700,1230 1350,1230 1259.84,1230 1200,1289.84
  lines w39.37: 1929.83,3409.33 cw(c2005,3409.33) 2005,3484.5 ; 1930,3409.33 1930,3330.67 ccw(c2005.18,3330.67) 2005.18,3255.5 ; 2005,3484.33 2230.16,3484.33 ; 2005.18,3255.67 2230.34,3255.67 ; 2449.83,3015 ccw(c2525,3015) 2525,2939.83 ; 2450,3015 2450,3210 ; 2525,2940 3080,2940

## Silkscreen, mask and mechanical layers (free items; w line width, h text height)
Top Overlay:
  rectangle: 3228.98,3110 3300,3230
  rectangle: 3228.98,3310 3300,3430
  lines w10: 2070,1617.03 2070,1659.95 2091.3,1681.25 2091.3,1710
  lines w15: 1916.5,3746.5 2100,3930 ; 1919.84,2947.72 2027,3054.88 ; 1922.21,3352.21 1992.99,3422.99 ; 1923.14,3853.14 2000,3930 ; 1925.21,3059.22 1995.98,3130 ; 1925.21,3149.22 1995.98,3220 ; 1925.21,3259.22 1995.98,3330 ; 1925.21,3459.22 1995.98,3530 ; 1932.56,3662.56 2200,3930 ; 2015.37,2947.72 2122.54,3054.88 ; 2048.5,3678.5 2206.57,3836.57 2300,3930 ; 2118.84,2945.84 2226,3053 ; 2144.5,3674.5 2400,3930 ; 2219.84,2947.72 2327,3054.88 ; 2246.5,3676.5 2502,3932 ; 2312.84,2947.72 2420,3054.88 ; 2349.5,3676.5 2605,3932 ; 2417.76,2947.72 2524.92,3054.88 ; 2448.5,3676.5 2704,3932 ; 2516.05,2947.72 2623.21,3054.88 ; 2547.5,3676.5 2803,3932 ; 2617.71,2947.71 2850,3180 ; 2648.5,3676.5 2904,3932 ; 2661.89,3691.34 2769.06,3798.5 ; 2717.01,2947.01 2850,3080 ; 2741.89,3571.34 2835.26,3664.7 ; 2743.86,3172.84 2851.02,3280 ; 2743.86,3272.84 2851.02,3380 ; 2743.86,3372.84 2851.02,3480 ; 2743.86,3472.84 2851.02,3580 ; 2744.5,3676.5 3000,3932 ; 2820,2950 2941.46,3071.46 ; 2917.25,3749.25 3100,3932 ; 2940,3670 3200,3930 ; 3041.99,3671.99 3270,3900 ; 3109.12,2939.12 3290,3120 ; 3140,3670 3290,3820 ; 3161.3,3791.3 3220,3850 ; 3171.3,3701.3 3220,3750 ; 3218.25,2948.25 3295,3025 ; 3241.3,3271.3 3290,3320 ; 3241.3,3471.3 3290,3520 ; 3241.3,3571.3 3290,3620 ; 3241.3,3671.3 3292.5,3722.5
  lines w62.99: 1900,3900 1900,2920 3260,2920
  text "CT" at 1553.7,3780 h60 r90
  text "FAN" at 2953.87,2985 h60
  text "ON" at 2926.13,2550 h60
  text "5V" at 2130,2480 h40
  text "Gnd" at 1750,2290 h60 r90
  text "+5V" at 1750,2080 h60 r90
  text "DETECT" at 2970,2070 h40
  text "POWER" at 1300,1980 h60
  text "DELAY" at 2990,1750 h40
  text "HOLD" at 3010,1451.06 h40
Bottom Overlay:
  lines w15: 1916.5,3746.5 2100,3930 ; 1918.25,3548.25 2206.57,3836.57 2300,3930 ; 1922.21,3352.21 1976.5,3406.5 ; 1923.14,3853.14 2000,3930 ; 1925.21,3149.22 2067.99,3292.01 ; 1925.21,3259.22 1972.99,3307.01 ; 1925.21,3459.22 2037.99,3572.01 ; 1927.94,3056.94 2803,3932 ; 1929.84,2957.72 2037,3064.88 ; 1932.56,3662.56 2200,3930 ; 2025.37,2957.72 2120.55,3052.89 ; 2033.11,3463.11 2080,3510 ; 2080,2947.71 2115.71,2947.71 3100,3932 ; 2116.5,3443.5 2605,3932 ; 2137.27,3365.27 2704,3932 ; 2160,3690 2400,3930 ; 2190,3210 2530.83,3563.94 ; 2219.92,3149.22 2580,3520 ; 2219.92,3649.92 2502,3932 ; 2229.84,2957.72 3207.06,3934.94 ; 2322.84,2957.72 2508.17,3143.05 ; 2427.76,2957.72 2534.92,3064.88 ; 2526.05,2957.72 2613.02,3044.69 ; 2605,3230 2960,3590 ; 2617.71,2947.71 2960,3290 ; 2661,3689 2904,3932 ; 2701,3633 3000,3932 ; 2704,3130 2960,3390 ; 2704,3230 2960,3490 ; 2727.01,2957.01 2960,3190 ; 2817.5,2947.5 2960,3090 ; 2915,2945 3300,3330 ; 3021.62,2951.62 3300,3230 ; 3025,3655 3270,3900 ; 3109.12,2939.12 3300,3130 ; 3120,3250 3300,3430 ; 3120,3350 3300,3530 ; 3120,3450 3300,3630 ; 3120,3550 3300,3730 ; 3120,3650 3300,3830 ; 3218.25,2948.25 3300,3030
  lines w62.99: 1920,3900 1920,2940 3260,2940
  text "Ver = '.Version'" at 3120,1250 h78.74